# Altium PCB STEVAL-ESLBLECB.PcbDoc (part 1 of 2)
Units mm, origin at the board's own origin, x right, y up, seen from the top; angles counter-clockwise.
Board outline 45.59 x 31.82 mm, 4 copper layers (Top Layer, Mid Layer 1, Mid Layer 2, Bottom Layer), stack 0.886 mm thick; 85 components, 64 nets, 263 pads, 388 vias.
Unrouted connection lines stored in the file: 146.
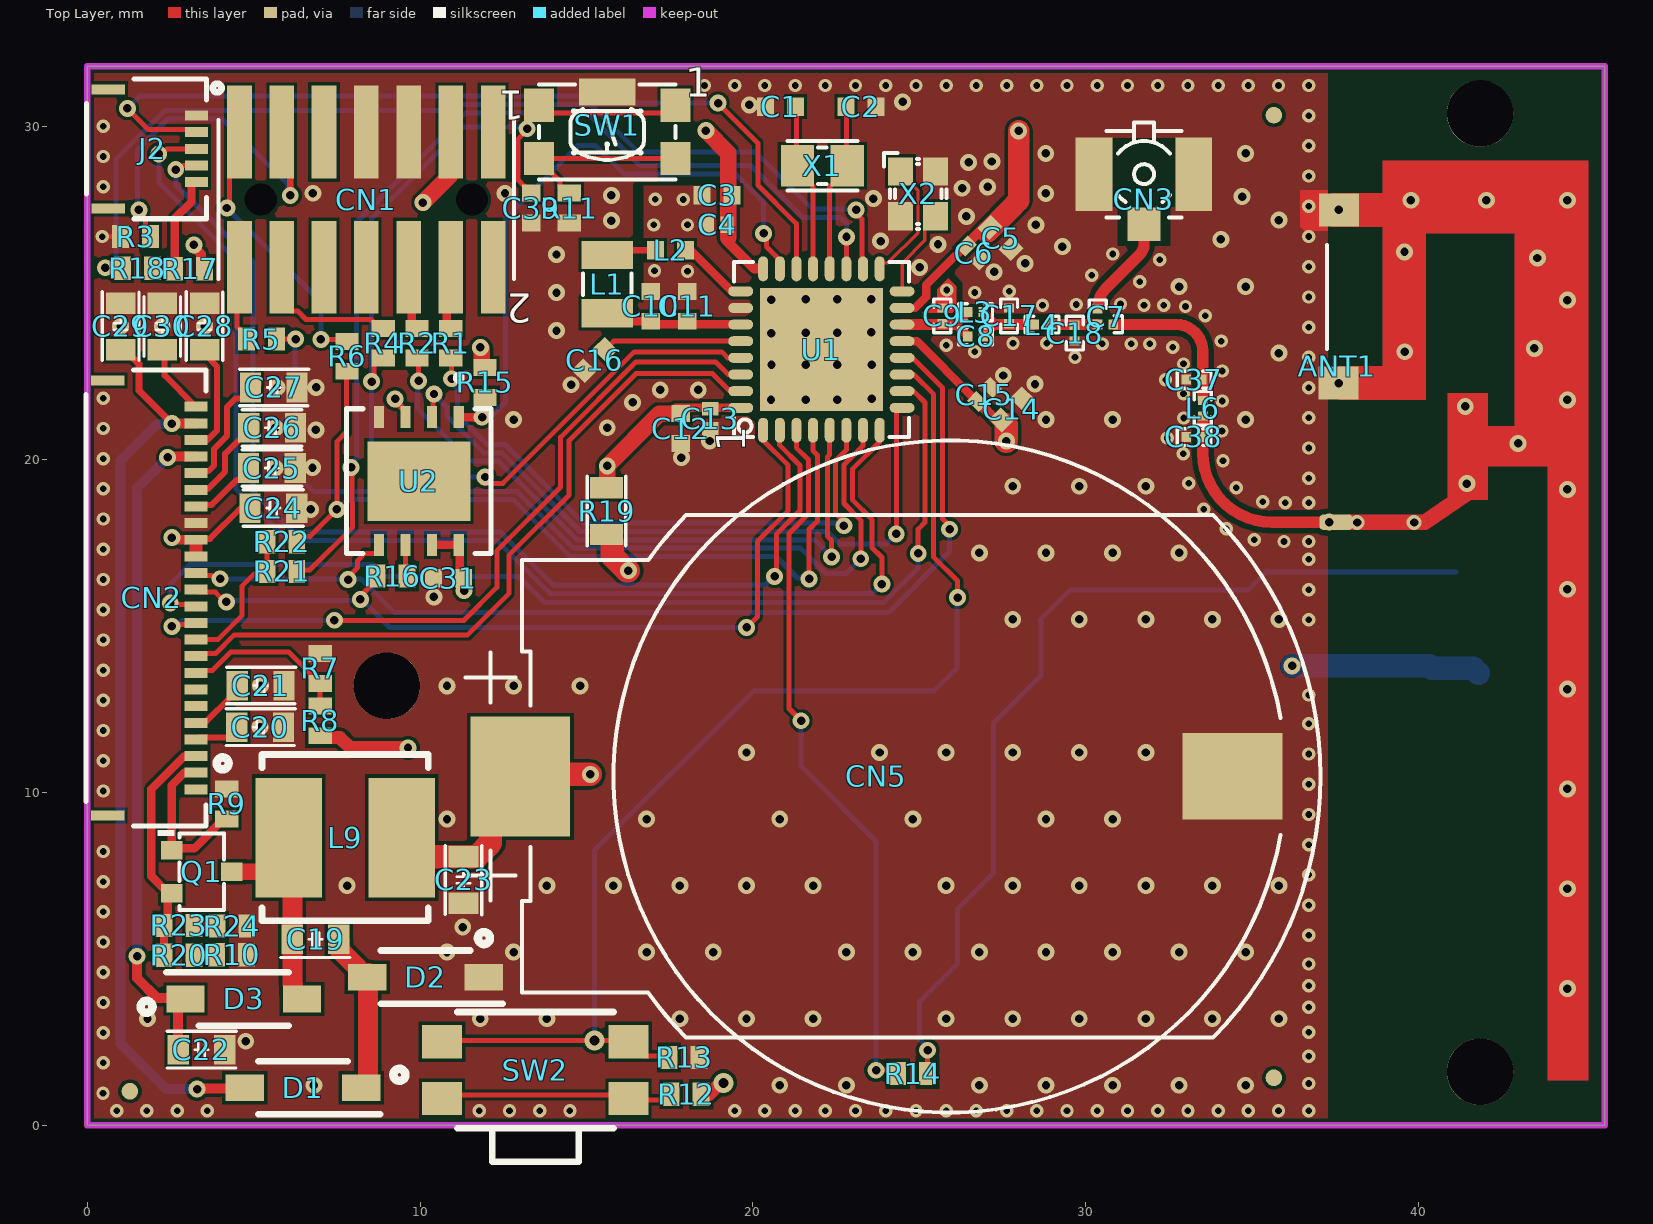
[diagram p0: Top Layer view]
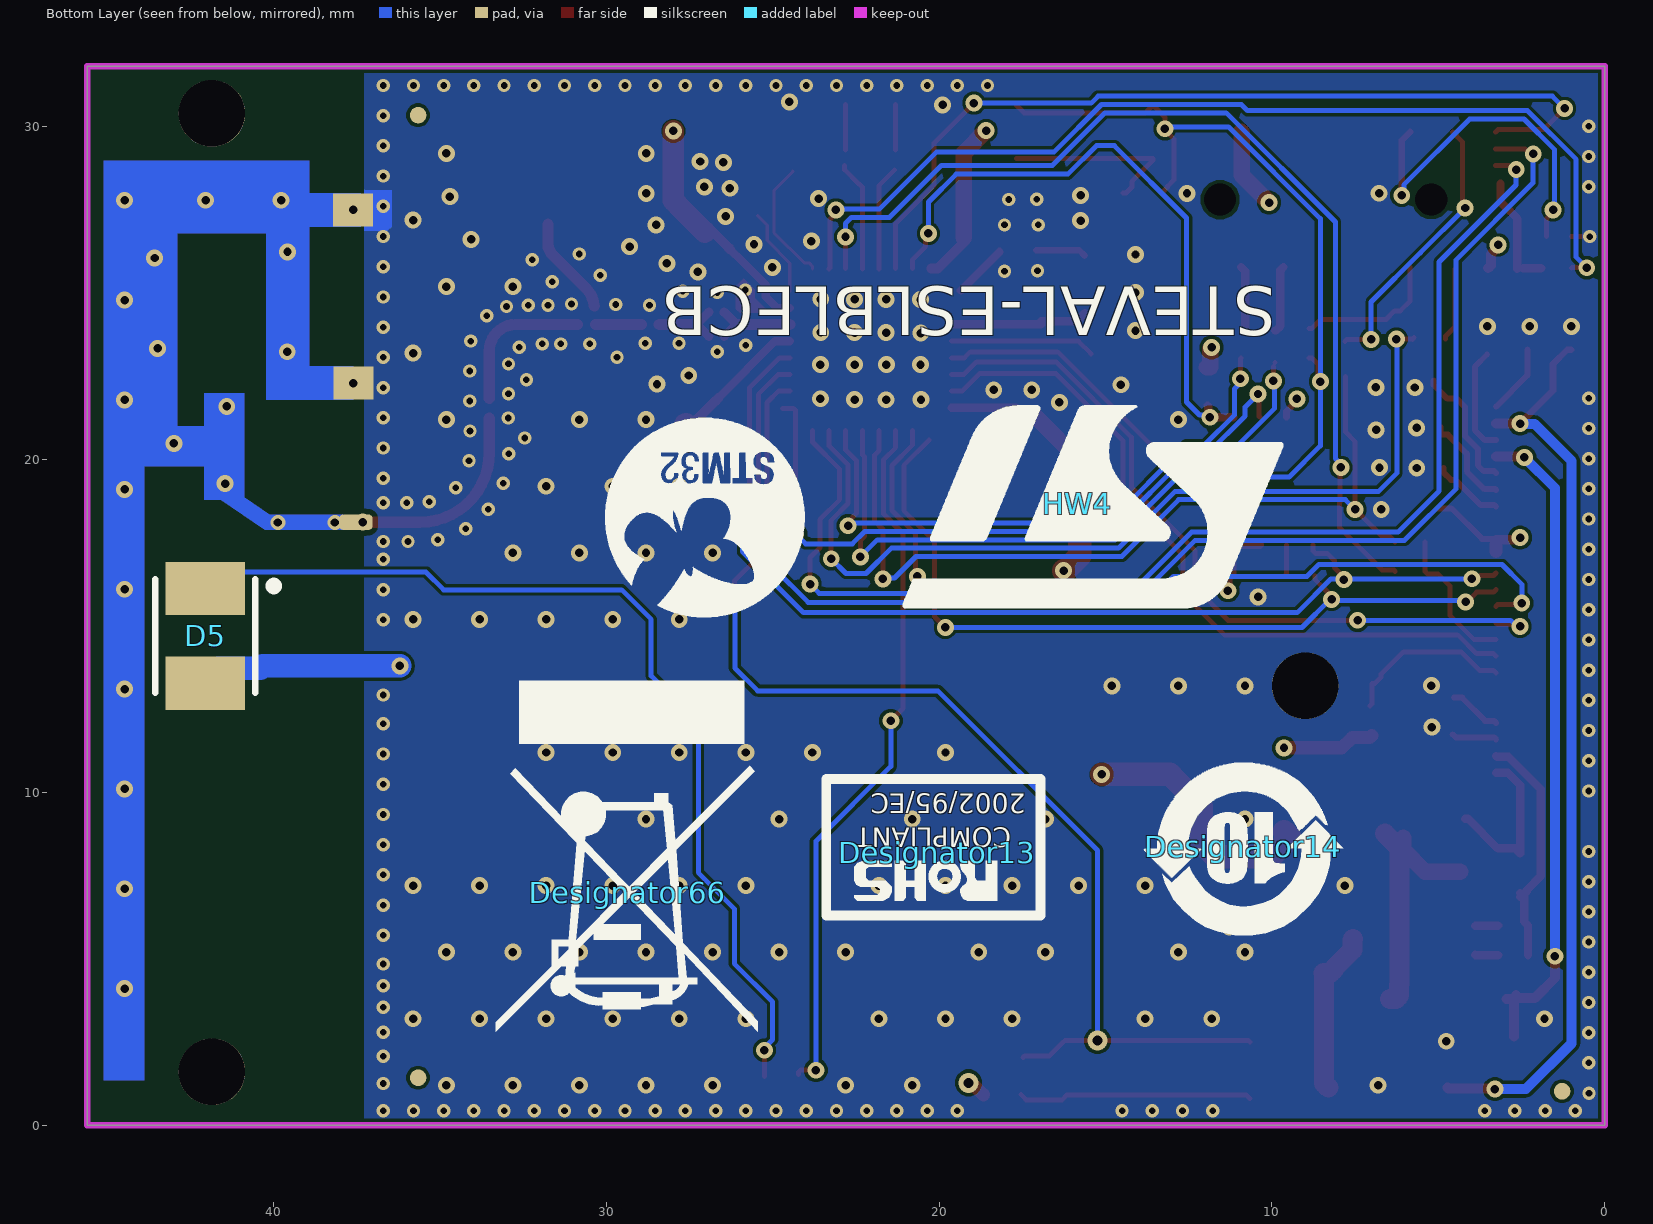
[diagram p1: Bottom Layer view, seen from below]
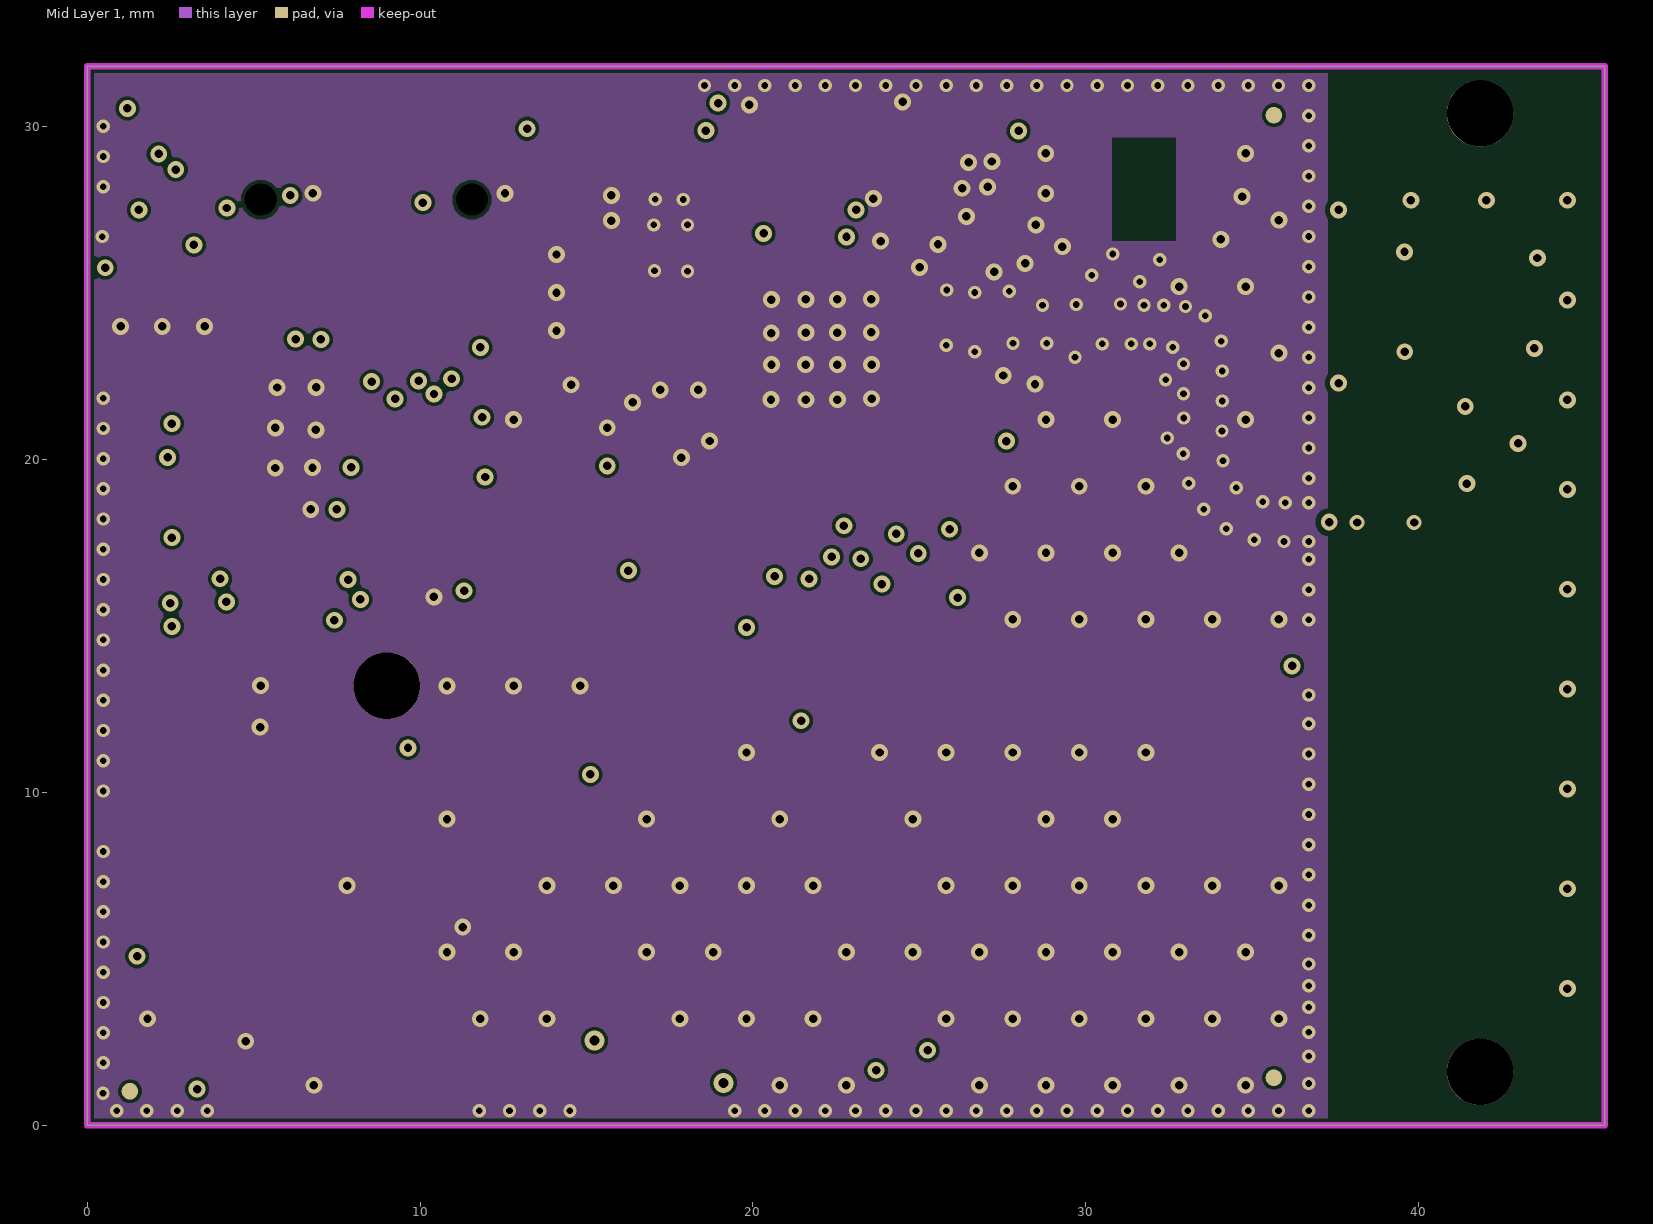
[diagram p2: Mid Layer 1]
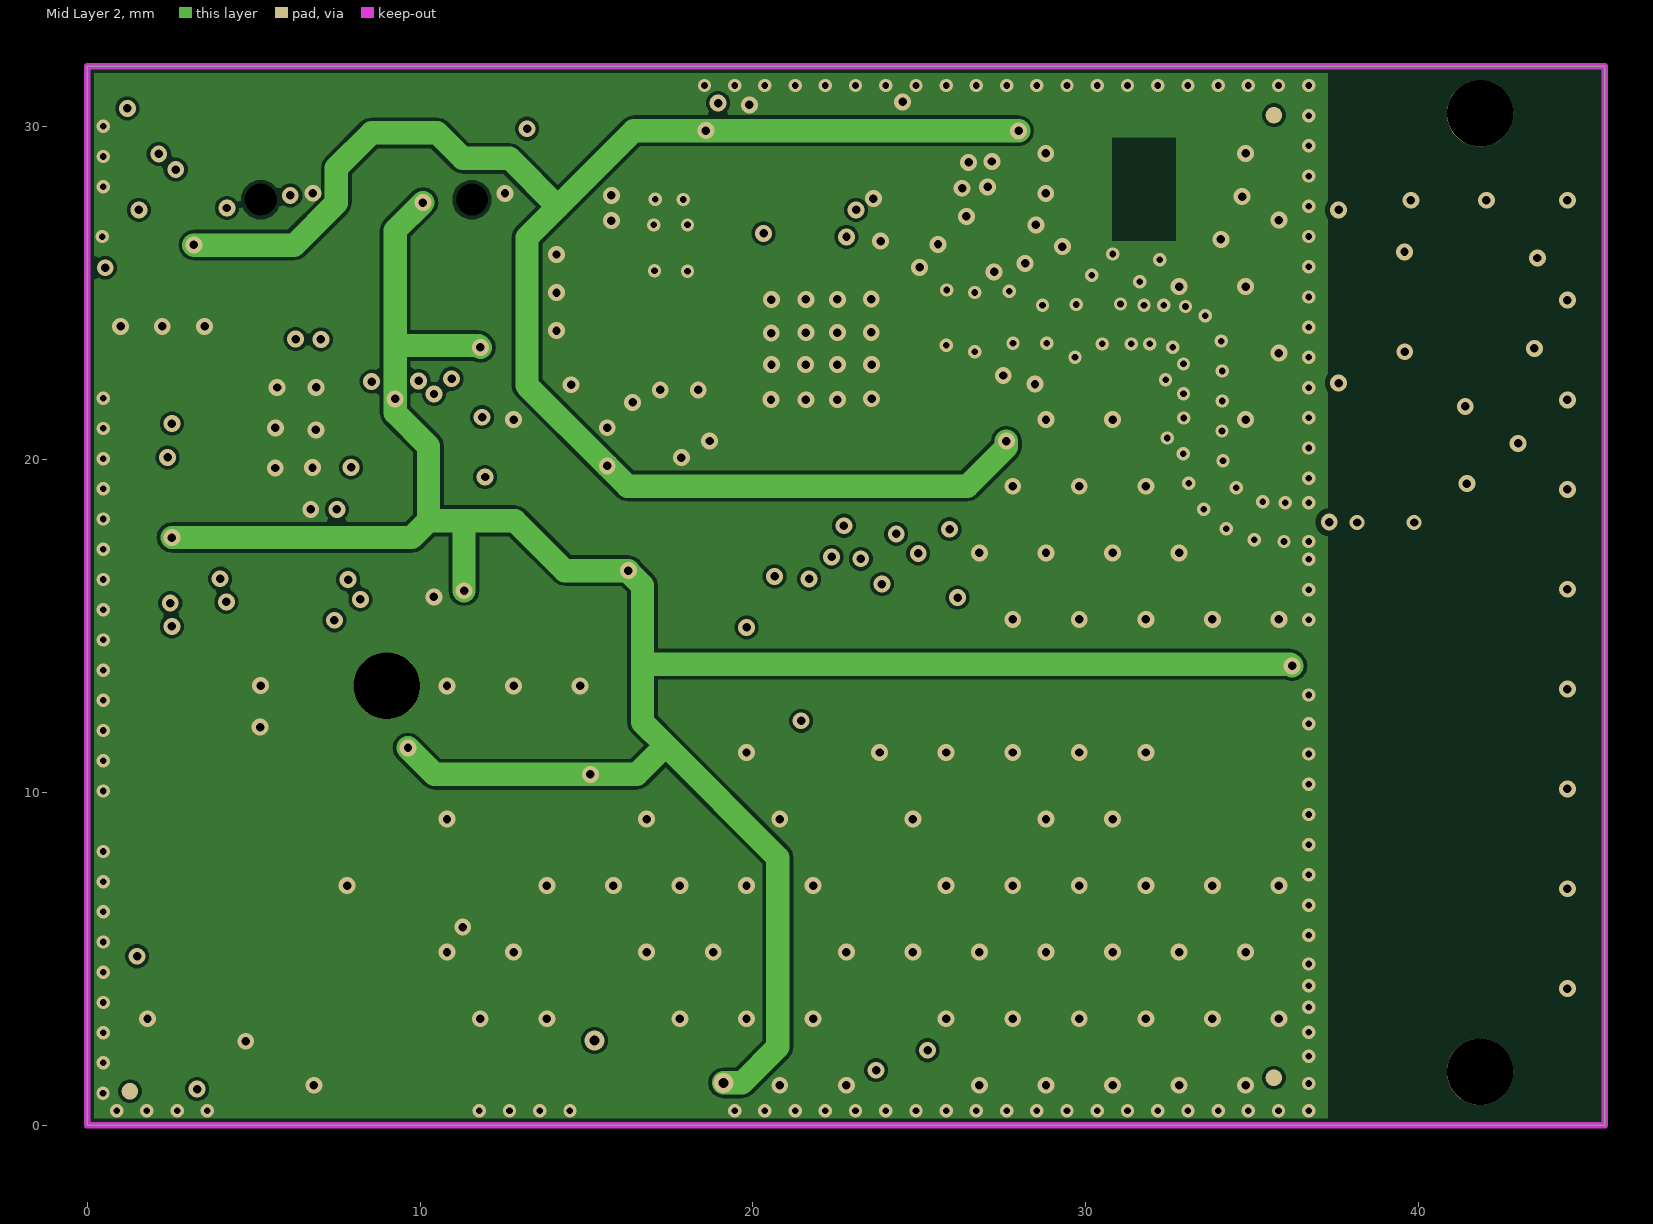
[diagram p3: Mid Layer 2]
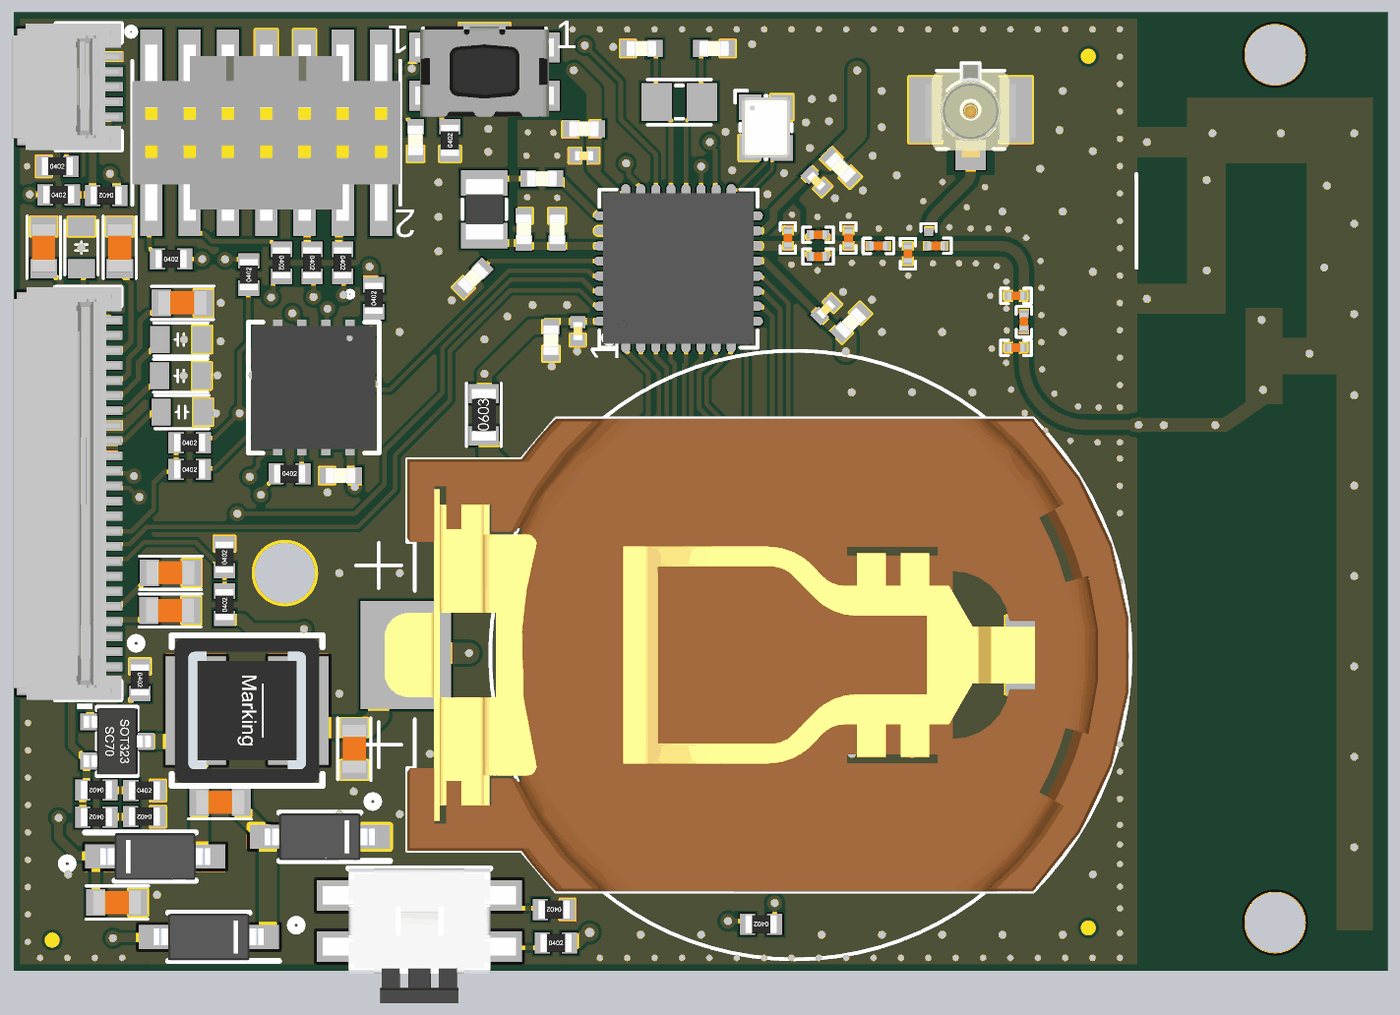
[diagram p5: 3D render of the assembled board from above, using the file's embedded part models]

## Layer stack, top to bottom
Top Solder: solder mask 0.0102, Solder Resist, Dk 3.5
Top Layer: signal copper 0.035
Dielectric 1: core 0.24, S-1000-2 (2x2116), Dk 4.34
Mid Layer 1: signal copper 0.018
Dielectric 2: core 0.3, S-1000-2 (2x1506), Dk 4.6
Mid Layer 2: signal copper 0.018
Dielectric 3: core 0.24, S-1000-2 (2x2116), Dk 4.34
Bottom Layer: signal copper 0.035
Bottom Solder: solder mask 0.0102, Solder Resist, Dk 3.5

## Board outline
0,-0.004 45.593,-0.004 45.593,31.815 0,31.815

## Design rules (kind name [scope] priority, off if disabled: settings)
Clearance Clearance_rf [InNet('NetC7_2','NetC7_3', 'NetANT1_1' )] p1: gap=0.165 ignorepadtopadclearanceinfootprint=FALSE
Clearance [All] p2: gap=0.1 ignorepadtopadclearanceinfootprint=FALSE
HoleSize [All] p1: absolutevalues=TRUE maxlimit=2.54 minlimit=0.2 maxpercent=80.000 minpercent=20.000
MinimumSolderMaskSliver [All] p1: minsoldermaskwidth=0.05
PolygonConnect [All] p1: connectstyle=Direct reliefconductorwidth=0.254 reliefentries=4 polygonreliefangle="90 Angle" airgapwidth=0.254
RoutingVias [All] p1: holewidth=0.254 width=0.254 viastyle="Through Hole" minholewidth=0.2 minwidth=0.4 maxholewidth=0.3 maxwidth=0.6
ShortCircuit [InNet('NetANT1_1') vs InNet('GND')] p1: allowed=TRUE
SilkToSilkClearance [All] p1 off: silktosilkclearance=0.254
SilkToSolderMaskClearance [IsPad] p1 off: minsilkscreentomaskgap=0.254 clearancetoexposedcopper=TRUE
SolderMaskExpansion [All] p1: expansion=0.102 istentingtop=FALSE
UnRoutedNet [All] p1: checkbadconnections=TRUE
Width [All] p1: maxlimit=1.4 minlimit=0.1 preferedwidth=0.15
24 further rules are at their usual default settings.

## Classes and differential pairs
component class Top: CN5 J2 R17 R18 R19 R21 R22
component class STM32WB09: ANT1 C1 C2 C3 C4 C5 C6 C7 C8 C9 C10 C11 C12 C13 C14 C15 C16 C17 C18 C37 C38 CN1 CN3 L1 L2 L3 L4 L6 R1 R2 R3 R4 R5 R6 U1 X1 X2
component class LEDs: D5 R14
component class FLASH: C31 R15 R16 U2
component class Display: C19 C20 C21 C22 C23 C24 C25 C26 C27 C28 C29 C30 CN2 D1 D2 D3 L9 Q1 R7 R8 R9 R10 R20 R23 R24
component class Buttons: C39 R11 R12 R13 SW1 SW2

## Components (designator, comment, footprint, x,y, rotation, side; value= is the part's Value field where it differs from the comment)
ANT1 "BLE_ANT" ANTENNA_F 37.084,18.124 r270 top
C1 "Capacitor" C0402 20.828,30.607 r180 top value=10pF
C2 "Capacitor" C0402 23.241,30.607 r180 top value=10pF
C3 "Capacitor" C0402 18.923,27.94 r0 top value=4.7uF
C4 "Capacitor" C0201_H0P3 18.923,27.051 r0 top value=100nF
C5 "Capacitor" C0402 27.441,26.656 r135 top value=1uF
C6 "Capacitor" C0201_H0P3 26.63,26.206 r135 top value=6.8pF
C7 "20 pF" "SMD 0201 DEV" 30.361,24.056 r0 top
C8 "Capacitor" 0_5p_capacitor_SMD_0201 26.691,23.702 r90 top value=0.3pF
C9 "Capacitor" 0_8p_capacitor_SMD_0201 25.688,24.317 r0 top value=0.8pF
C10 "Capacitor" C0402 16.93,24.606 r270 top value=4.7uF
C11 "Capacitor" C0402 18.03,24.606 r270 top value=100nF
C12 "Capacitor" C0402 17.83,20.927 r90 top value=1uF
C13 "Capacitor" C0201_H0P3 18.718,21.231 r90 top value=6.8pF
C14 "Capacitor" C0402 27.78,21.506 r225 top value=1uF
C15 "Capacitor" C0201_H0P3 26.956,21.95 r225 top value=6.8pF
C16 "Capacitor" C0402 15.24,22.987 r45 top value=0.22uF
C17 "Capacitor" 1_5p_capacitor_SMD_0201 27.697,24.317 r0 top value=1.5pF
C18 "Capacitor" 0_8p_capacitor_SMD_0201 29.671,23.801 r180 top value=0.8pF
C19 "Capacitor" C0603 6.858,5.588 r0 top value=4.7uF
C20 "Capacitor" C0603 5.192,11.958 r180 top value=4.7uF
C21 "Capacitor" C0603 5.207,13.208 r180 top value=4.7uF
C22 "Capacitor" C0603 3.429,2.267 r180 top value=4.7uF
C23 "Capacitor" C0603 11.303,7.366 r90 top value=4.7uF
C24 "Capacitor" C0603_H0P8 5.588,18.542 r180 top value=1uF
C25 "Capacitor" C0603_H0P8 5.545,19.746 r180 top value=1uF
C26 "Capacitor" C0603_H0P8 5.551,20.951 r180 top value=1uF
C27 "Capacitor" C0603 5.602,22.166 r180 top value=4.7uF
C28 "Capacitor" C0603 3.522,24 r270 top value=4.7uF
C29 "Capacitor" C0603 1,24 r270 top value=4.7uF
C30 "Capacitor" C0603_H0P8 2.25,24 r270 top value=1uF
C31 "Capacitor" C0402 10.849,16.434 r0 top value=100nF
C37 "Capacitor" 1_5p_capacitor_SMD_0201 33.256,22.4 r90 top value=TBD
C38 "Capacitor" 0_8p_capacitor_SMD_0201 33.256,20.676 r90 top value=TBD
C39 "Capacitor" C0402 13.335,27.559 r90 top value=10nF
CN1 "Header 7x2" CON_STDC14_Receiver_SMALL 8.382,27.813 r180 top
CN2 "FPC_24_0_5mm" CON_5034802400_MOL 1.762,15.84 r270 top locked
CN3 "U.FL-R-SMT-1" CON_HRS_U.FL-R-SMT-1 31.75,28.575 r0 top value=Con_RF_U.FL-R-SMT-1
CN5 "BATTERY HOLDER" BAT_HARWIN_S8421-45R_CR2032_SMD_2P 23.709,10.479 r0 top locked value=S8421-45R
D1 "MBR0530" SOD3716X135N 6.477,1.124 r180 top
D2 "MBR0530" SOD3716X135N 10.16,4.445 r180 top
D3 "MBR0530" SOD3716X135N 4.699,3.791 r0 top
D5 "Amber, 2V, 120°" WL-SMTW_3528 42.05,14.7 r270 bottom
Designator13 "Comment" ST-ROHS 20.05,8.2 r0 bottom
Designator14 "Comment" ST-ROHS-CHINOIS-10ans 10.858,8.386 r0 bottom
Designator66 "Comment" "LOGO POUBELLE RECYCLE" 29.35,7 r0 bottom
HW4 "Logo" LOGO_ST 15.843,18.668 r0 bottom
J2 "5034800540" CON_5034800540_MOL 1.778,29.337 r270 top locked
L1 "Inductor" IND_0805_MURATA_LQM21 15.621,25.273 r90 top value=10uH
L2 "Inductor" C0402 17.526,26.289 r0 top value=22nH
L3 "Inductor" 2n4_inductor_SMD_0201 26.69,24.427 r90 top value=2.4nH
L4 "Inductor" 3n3_inductor_SMD_0201 28.689,24.056 r90 top value=3.3nH
L6 "Inductor" 3n3_inductor_SMD_0201 33.518,21.538 r0 top value=0
L9 "10µH, 1.61A" WE-LQFS_4818 7.747,8.636 r270 top
Q1 "MOSFET_N-CHANNEL" MOS_SOT323-3L 3.436,7.614 r270 top value=SI1308EDL-T1-GE3
R1 "Resistor" R0402 10.922,23.495 r270 top value=0R
R2 "Resistor" R0402 9.906,23.495 r270 top value=0R
R3 "Resistor" R0402 1.45,26.7 r0 top value=0R
R4 "Resistor" R0402 8.89,23.495 r270 top value=0R
R5 "Resistor" R0402 5.226,23.62 r0 top value=0R
R6 "Resistor" R0402 7.802,23.104 r90 top value=0R
R7 "Resistor" R0402 6.994,13.725 r90 top value=3
R8 "Resistor" R0402 7,12.15 r90 top value=10K
R9 "Resistor" R0402 4.191,9.652 r270 top value=10K
R10 "Resistor" R0402 4.336,5.117 r180 top value=3
R11 "Resistor" R0402 14.478,27.559 r90 top value=100R
R12 "Resistor" R0402 17.995,0.927 r0 top value=100R
R13 "Resistor" R0402 17.929,2.032 r180 top value=100K
R14 "Resistor" R0402 24.8,1.55 r180 top value=100R
R15 "Resistor" R0402 11.947,22.32 r90 top value=10K
R16 "Resistor" R0402 9.158,16.499 r0 top value=22R
R17 "Resistor" R0402 3.071,25.735 r180 top value=0R
R18 "Resistor" R0402 1.5,25.75 r0 top value=0R
R19 "Resistor" R0603 15.6,18.45 r90 top value=0R
R20 "Resistor" R0402 2.75,5.1 r180 top value=0R
R21 "Resistor" R0402 5.842,16.637 r0 top value=0R
R22 "Resistor" R0402 5.842,17.526 r0 top value=0R
R23 "Resistor" R0402 2.75,6 r180 top value=0R
R24 "Resistor" R0402 4.341,5.983 r0 top value=0R47
SW1 "SW-PUSH-CMS_BLACK_PIN1-3_2-4" SWI_C&K_Y78B23110FP__ITT_KMR231GLFS 15.621,29.845 r0 top value=Y78B23110FP
SW2 "434351045816" 434351045816 13.462,1.651 r0 top
U1 "STM32WB09" ICC_QFN32-EPAD_5X5_P050 22.058,23.306 r0 top
U2 "W25Q64JVXGIQ TR" "DFN_XGIQ TR_WIN-L" 9.96,19.355 r270 top
X1 "XTAL_2_PINS" CRY_NX2012SA_2P 22.086,28.829 r0 top value=32.768kHz
X2 "XTAL_4_PINS" CRY_NX2016SA_4P 24.962,27.984 r270 top value=32MHz

## Footprints (in the part's own frame and the unit in brackets; to place one, negate y for a bottom-side part, rotate by r counter-clockwise, add the part's x,y. Pads: shape width x height; smd on the part's side, far side on the other; paste and mask are expansions set on the pad)
0_5p_capacitor_SMD_0201 [mm] "SMD 0201"
  rect 0.3x0.28 smd mask+0.05: 1(0.002,0.238) 2(0.002,-0.232)
  silkscreen extent -0.25,-0.51 0.25,0.51, body extent -0.15,-0.3 0.15,0.3, height 0.3
0_8p_capacitor_SMD_0201 [mm] "SMD 0201"
  rect 0.3x0.28 smd mask+0.05: 1(0.002,0.238) 2(0.002,-0.232)
  silkscreen extent -0.25,-0.51 0.25,0.51, body extent -0.15,-0.3 0.15,0.3, height 0.3
1_5p_capacitor_SMD_0201 [mm] "SMD 0201"
  rect 0.3x0.28 smd mask+0.05: 1(0.002,0.238) 2(0.002,-0.232)
  silkscreen extent -0.25,-0.51 0.25,0.51, body extent -0.15,-0.3 0.15,0.3, height 0.3
2n4_inductor_SMD_0201 [mm] "SMD 0201"
  rect 0.3x0.28 smd mask+0.05: 1(0.002,0.238) 2(0.002,-0.232)
  silkscreen extent -0.25,-0.51 0.25,0.51, body extent -0.15,-0.3 0.15,0.3, height 0.3
3n3_inductor_SMD_0201 [mm] "SMD 0201"
  rect 0.3x0.28 smd mask+0.05: 1(0.002,0.238) 2(0.002,-0.232)
  silkscreen extent -0.25,-0.51 0.25,0.51, body extent -0.15,-0.3 0.15,0.3, height 0.3
434351045816 [mm] "3.5x4.7 mm SMD side push"
  rect 1.2x1 smd: A1(-2.8,0.85) A2(2.8,0.85) B1(-2.8,-0.85) B2(2.8,-0.85)
  silkscreen extent -2.35,-2.75 2.35,1.75, body extent -3.2,-2.75 3.2,1.75, height 1.65
ANTENNA_F [mm] "Tunned"
  rrect50% 0.46x1 smd far side paste-0.8 mask+0: 1(0.006,0.439)
  rrect50% 0.46x1 smd paste-0.8 mask+0: 1(0.006,0.439)
  rect 1x1.2 smd far side paste-1 mask+0: 2(-9.376,0.521) 2(-4.176,0.516)
  rect 1x1.2 smd paste-1 mask+0: 2(-9.376,0.521) 2(-4.176,0.516)
  Top Layer region: 16.782,8.012 16.782,6.802 -1.676,6.802 -1.676,5.002 -0.676,5.002 -0.676,4.5 0.234,3.181 0.234,0.818 -0.217,0.818 -0.217,3.025 -0.747,3.792 -3.876,3.792 -3.876,5.002 -2.876,5.002 -2.876,5.802 -8.676,5.802 -8.676,3.133 -3.676,3.133 -3.676,0.521 -4.676,0.521 -4.676,1.842 -8.876,1.842 -8.876,0.3 -9.876,0.3 -9.876,1.842 -10.856,1.842 -10.856,8.012
  Bottom Layer region: 16.782,8.012 16.782,6.802 -1.676,6.802 -1.676,5.002 -0.676,5.002 -0.676,4.5 0.234,3.181 0.234,0.818 -0.217,0.818 -0.217,3.025 -0.747,3.792 -3.876,3.792 -3.876,5.002 -2.876,5.002 -2.876,5.802 -8.676,5.802 -8.676,3.133 -3.676,3.133 -3.676,0.516 -4.676,0.516 -4.676,1.842 -8.876,1.842 -8.876,0.3 -9.876,0.3 -9.876,1.842 -10.856,1.842 -10.856,8.012
  silkscreen extent -8.32,0.17 -5.21,0.17
BAT_HARWIN_S8421-45R_CR2032_SMD_2P [mm] "MCD-02936"
  rect 3x3.6 smd mask+0.05: 1(-10.7,0)
  rect 3x2.6 smd mask+0.05: 2(10.7,0)
  silkscreen extent -12.35,-10.1 13.35,10.1, body extent -11.4,-7.85 13.35,7.85, height 5.3
C0201_H0P3 [mm] "MCD-00699"
  rect 0.4x0.5 smd mask+0.05: 1(-0.3,0) 2(0.3,0)
  body extent -0.32,-0.17 0.32,0.17, height 0.33
C0402 [mm]
  rect 0.51x0.56 smd mask+0.05: 1(-0.45,0) 2(0.45,0)
  body extent -0.5,-0.31 0.5,0.31, height 0.4
C0603 [mm]
  rect 0.64x0.89 smd mask+0.05: 1(-0.7,0) 2(0.7,0)
  silkscreen extent -1.05,-0.55 1.02,0.55, body extent -0.9,-0.5 0.9,0.5, height 1.4
C0603_H0P8 [mm] "MCD-01540"
  rect 0.64x0.89 smd mask+0.05: 1(-0.7,0) 2(0.7,0)
  silkscreen extent -0.9,-0.55 0.9,0.55, body extent -0.9,-0.5 0.9,0.5, height 1
CON_5034800540_MOL [mm]
  rect 0.3x0.7 smd paste+0 mask+0.025: 1(-1,1.5) 2(-0.5,1.5) 3(0,1.5) 4(0.5,1.5) 5(1,1.5)
  rect 0.3x1 smd paste+0 mask+0.076: P1(-1.79,-1.15) P2(1.79,-1.15)
  silkscreen extent -2.1,-1.8 2.1,2.25, body extent -2.1,-1.82 2.1,1.78, height 1.87
CON_5034802400_MOL [mm]
  rect 0.3x0.7 smd paste+0 mask+0.025: 1(5.75,1.5) 2(5.25,1.5) 3(4.75,1.5) 4(4.25,1.5) 5(3.75,1.5) 6(3.25,1.5) 7(2.75,1.5) 8(2.25,1.5) 9(1.75,1.5) 10(1.25,1.5) 11(0.75,1.5) 12(0.25,1.5) 13(-0.25,1.5) 14(-0.75,1.5) 15(-1.25,1.5) 16(-1.75,1.5) 17(-2.25,1.5) 18(-2.75,1.5) 19(-3.25,1.5) 20(-3.75,1.5) 21(-4.25,1.5) 22(-4.75,1.5) 23(-5.25,1.5) 24(-5.75,1.5)
  rect 0.3x1 smd paste+0 mask+0.076: P1(-6.54,-1.15) P2(6.54,-1.15)
  silkscreen extent -6.85,-1.8 6.85,1.8, body extent -6.85,-1.78 6.85,1.82, height 1.87
CON_HRS_U.FL-R-SMT-1 [mm] "MCD-01583"
  rect 1x1 smd mask+0.05: 1(0,-1.5)
  rect 1.1x2.2 smd mask+0.05: 2(-1.5,0) 3(1.5,0)
  silkscreen extent -1.12,-1.3 1.12,1.55, body extent -1.5,-1.6 1.5,1.5, height 1.25
CON_STDC14_Receiver_SMALL [mm] "compatible with Samtec FTSH-107-01-L-DV,-K,-A,-P"
  round 0 hole 0.97 unplated mask+0.05: 0(-3.175,0) 0(3.175,0)
  rect 0.74x2.79 smd mask+0.05: 1(-3.81,-2.032) 2(-3.81,2.032) 3(-2.54,-2.032) 4(-2.54,2.032) 5(-1.27,-2.032) 6(-1.27,2.032) 7(0,-2.032) 8(0,2.032) 9(1.27,-2.032) 10(1.27,2.032) 11(2.54,-2.032) 12(2.54,2.032) 13(3.81,-2.032) 14(3.81,2.032)
  silkscreen extent -4.44,-2.39 4.44,2.39, body extent -4.45,-2.92 4.45,2.92, height 6.6
CRY_NX2012SA_2P [mm]
  rect 1x1.25 smd mask+0.05: 1(-0.75,0) 2(0.75,0)
  silkscreen extent -1.05,-0.75 1.05,0.75, body extent -1.05,-0.63 1.05,0.63, height 0.6
CRY_NX2016SA_4P [mm]
  rect 0.85x0.75 smd mask+0.05: 1(-0.675,-0.525) 2(0.675,-0.525) 3(0.675,0.525) 4(-0.675,0.525)
  silkscreen extent -1.22,-1.02 1.05,0.85, body extent -1.05,-0.85 1.05,0.85, height 0.7
"DFN_XGIQ TR_WIN-L" [mil]
  rect 26x12 smd paste+0 mask+0: 1(-75.5,47.25) 2(-75.5,15.75) 3(-75.5,-15.75) 4(-75.5,-47.25) 5(75.5,-47.25) 6(75.5,-15.75) 7(75.5,15.75) 8(75.5,47.25)
  rect 94x122 smd paste+0 mask+0: 9(0,0)
  silkscreen extent -126,-86 86,86, body extent -81,-81 80,80, height 32
ICC_QFN32-EPAD_5X5_P050 [mm]
  oval 0.3x0.75 smd mask+0.05: 1(-1.75,-2.425) 2(-1.25,-2.425) 3(-0.75,-2.425) 4(-0.25,-2.425) 5(0.25,-2.425) 6(0.75,-2.425) 7(1.25,-2.425) 8(1.75,-2.425) 17(1.75,2.425) 18(1.25,2.425) 19(0.75,2.425) 20(0.25,2.425) 21(-0.25,2.425) 22(-0.75,2.425) 23(-1.25,2.425) 24(-1.75,2.425)
  oval 0.75x0.3 smd mask+0.05: 9(2.425,-1.75) 10(2.425,-1.25) 11(2.425,-0.75) 12(2.425,-0.25) 13(2.425,0.25) 14(2.425,0.75) 15(2.425,1.25) 16(2.425,1.75) 25(-2.425,1.75) 26(-2.425,1.25) 27(-2.425,0.75) 28(-2.425,0.25) 29(-2.425,-0.25) 30(-2.425,-0.75) 31(-2.425,-1.25) 32(-2.425,-1.75)
  rect 3.7x3.7 smd mask+0.05: 33(0,0)
  silkscreen extent -2.62,-2.63 2.63,2.63, body extent -2.55,-2.55 2.55,2.55, height 1
IND_0805_MURATA_LQM21 [mm] "MCD-02317"
  rect 0.85x1.55 smd mask+0.05: 1(-0.875,0) 2(0.875,0)
  silkscreen extent -0.33,-0.73 0.33,0.73, body extent -1.1,-0.73 1.1,0.73, height 1.45
"LOGO POUBELLE RECYCLE" [mm]
  silkscreen extent -3.89,-6.36 3.98,4.19
LOGO_ST [mm]
  silkscreen extent -6.18,-2.95 5.25,3.14
MOS_SOT323-3L [mm] "MCD-02504"
  rect 0.56x0.65 smd mask+0.05: 1(-0.65,-0.9) 2(0.65,-0.9) 3(0,0.9)
  silkscreen extent -1.25,-1.32 1.15,0.67, body extent -1.1,-1.12 1.1,1.12, height 1.1
R0402 [mm]
  rect 0.51x0.7 smd mask+0.05: 1(-0.45,0) 2(0.45,0)
  body extent -0.52,-0.3 0.52,0.3, height 0.4
R0603 [mm]
  rect 0.64x1 smd mask+0.05: 1(-0.7,0) 2(0.7,0)
  silkscreen extent -1.05,-0.58 1.05,0.58, body extent -0.9,-0.5 0.9,0.5, height 0.56
"SMD 0201 DEV" [mm] "SMD 0201"
  rect 0.3x0.3 smd mask+0.05: 1(0,0)
  rect 0.3x0.28 smd mask+0.05: 2(0,0.47)
  rect 0.28x0.3 smd mask+0.05: 3(0.47,0)
  silkscreen extent -0.26,-0.25 0.75,0.74, body extent -0.06,-0.15 0.54,0.15, height 0.3
SOD3716X135N [mm]
  rect 1.15x0.8 smd: 1(-1.75,0) 2(1.75,0)
  silkscreen extent -2.32,-0.8 1.35,0.8, body extent -1.83,-0.77 1.83,0.77, height 1.45
ST-ROHS [mm]
  silkscreen extent -3.1,-2.2 3.34,1.9
ST-ROHS-CHINOIS-10ans [mm]
  silkscreen extent -3,-2.51 2.99,2.68
SWI_C&K_Y78B23110FP__ITT_KMR231GLFS [mm] "MCD-00715"
  rect 0.9x1 smd mask+0.05: 1(2.05,0.8) 2(2.05,-0.8) 3(-2.05,0.8) 4(-2.05,-0.8)
  rect 1.7x0.8 smd mask+0.05: 5(0,1.2)
  silkscreen extent -2.05,-1.43 2.05,1.43, body extent -2.3,-1.5 2.3,1.5, height 2.1
WE-LQFS_4818 [mm] "SMT Power Inductor, body 4.8x4.8mm"
  rect 3.6x2 smd: 1(0,1.7) 2(0,-1.7)
  silkscreen extent -2.5,-2.5 2.5,2.5, body extent -2.4,-2.4 2.4,2.4, height 1.8
WL-SMTW_3528 [mm] "SMD Mono-color TOP LED, body 3.2x2.8mm"
  rect 1.6x2.4 smd: 1(-1.425,0) 2(1.425,0)
  silkscreen extent -1.7,-1.5 1.7,2.18, body extent -1.75,-1.4 1.75,1.4, height 1.9
